# KiCad board Video Board.kicad_pcb (continued)
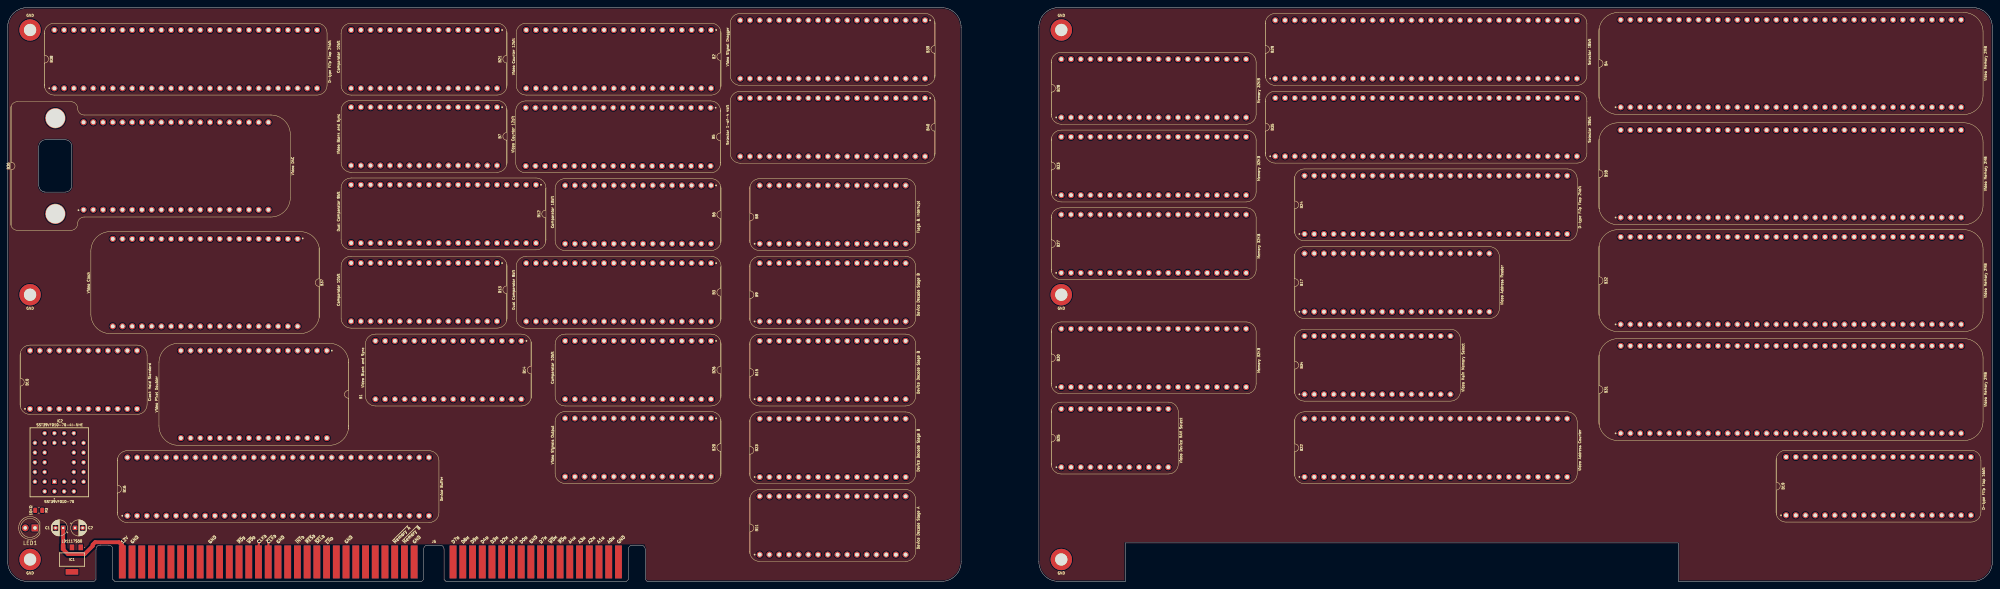
[diagram p0: board, top side]
## Footprints (pads in the part's own frame, mm; a bottom-side part is the same pattern mirrored in y, then rotated) (continued)
HCP65_Video_DAC
  round 5.3 hole 5 unplated: (-1.07,7.366) (23.93,7.366)
  round 1.6 hole 1: 1(0,0) 2(0,-2.54) 3(0,-5.08) 4(0,-7.62) 5(0,-10.16) 6(0,-12.7) 7(0,-15.24) 8(0,-17.78) 9(0,-20.32) 10(0,-22.86) 11(0,-25.4) 12(0,-27.94) 13(0,-30.48) 14(0,-33.02) 15(0,-35.56) 16(0,-38.1) 17(0,-40.64) 18(0,-43.18) 19(0,-45.72) 20(0,-48.26) 21(22.86,-48.26) 22(22.86,-45.72) 23(22.86,-43.18) 24(22.86,-40.64) 25(22.86,-38.1) 26(22.86,-35.56) 27(22.86,-33.02) 28(22.86,-30.48) 29(22.86,-27.94) 30(22.86,-25.4) 31(22.86,-22.86) 32(22.86,-20.32) 33(22.86,-17.78) 34(22.86,-15.24) 35(22.86,-12.7) 36(22.86,-10.16) 37(22.86,-7.62) 38(22.86,-5.08) 39(22.86,-2.54) 40(22.86,0)
HCP65_Video_Device_RAM_Select
  round 1.6 hole 1: 1(0,0) 2(0,-2.54) 3(0,-5.08) 4(0,-7.62) 5(0,-10.16) 6(0,-12.7) 7(0,-15.24) 8(0,-17.78) 9(0,-20.32) 10(0,-22.86) 11(0,-25.4) 12(0,-27.94) 13(15.24,-27.94) 14(15.24,-25.4) 15(15.24,-22.86) 16(15.24,-20.32) 17(15.24,-17.78) 18(15.24,-15.24) 19(15.24,-12.7) 20(15.24,-10.16) 21(15.24,-7.62) 22(15.24,-5.08) 23(15.24,-2.54) 24(15.24,0)
HCP65_Video_Main_Memory_Select
  round 1.6 hole 1: 1(0,0) 2(0,-2.54) 3(0,-5.08) 4(0,-7.62) 5(0,-10.16) 6(0,-12.7) 7(0,-15.24) 8(0,-17.78) 9(0,-20.32) 10(0,-22.86) 11(0,-25.4) 12(0,-27.94) 13(0,-30.48) 14(0,-33.02) 15(0,-35.56) 16(0,-38.1) 17(15.24,-38.1) 18(15.24,-35.56) 19(15.24,-33.02) 20(15.24,-30.48) 21(15.24,-27.94) 22(15.24,-25.4) 23(15.24,-22.86) 24(15.24,-20.32) 25(15.24,-17.78) 26(15.24,-15.24) 27(15.24,-12.7) 28(15.24,-10.16) 29(15.24,-7.62) 30(15.24,-5.08) 31(15.24,-2.54) 32(15.24,0)
HCP65_Video_Memory_2MB
  round 1.6 hole 1: 1(0,0) 2(0,-2.54) 3(0,-5.08) 4(0,-7.62) 5(0,-10.16) 6(0,-12.7) 7(0,-15.24) 8(0,-17.78) 9(0,-20.32) 10(0,-22.86) 11(0,-25.4) 12(0,-27.94) 13(0,-30.48) 14(0,-33.02) 15(0,-35.56) 16(0,-38.1) 17(0,-40.64) 18(0,-43.18) 19(0,-45.72) 20(0,-48.26) 21(0,-50.8) 22(0,-53.34) 23(0,-55.88) 24(0,-58.42) 25(0,-60.96) 26(0,-63.5) 27(0,-66.04) 28(0,-68.58) 29(0,-71.12) 30(0,-73.66) 31(0,-76.2) 32(0,-78.74) 33(0,-81.28) 34(0,-83.82) 35(0,-86.36) 36(0,-88.9) 37(22.86,-88.9) 38(22.86,-86.36) 39(22.86,-83.82) 40(22.86,-81.28) 41(22.86,-78.74) 42(22.86,-76.2) 43(22.86,-73.66) 44(22.86,-71.12) 45(22.86,-68.58) 46(22.86,-66.04) 47(22.86,-63.5) 48(22.86,-60.96) 49(22.86,-58.42) 50(22.86,-55.88) 51(22.86,-53.34) 52(22.86,-50.8) 53(22.86,-48.26) 54(22.86,-45.72) 55(22.86,-43.18) 56(22.86,-40.64) 57(22.86,-38.1) 58(22.86,-35.56) 59(22.86,-33.02) 60(22.86,-30.48) 61(22.86,-27.94) 62(22.86,-25.4) 63(22.86,-22.86) 64(22.86,-20.32) 65(22.86,-17.78) 66(22.86,-15.24) 67(22.86,-12.7) 68(22.86,-10.16) 69(22.86,-7.62) 70(22.86,-5.08) 71(22.86,-2.54) 72(22.86,0)
HCP65_Video_Output_Signals
  round 1.6 hole 1: 1(0,0) 2(0,-2.54) 3(0,-5.08) 4(0,-7.62) 5(0,-10.16) 6(0,-12.7) 7(0,-15.24) 8(0,-17.78) 9(0,-20.32) 10(0,-22.86) 11(0,-25.4) 12(0,-27.94) 13(0,-30.48) 14(0,-33.02) 15(0,-35.56) 16(0,-38.1) 17(15.24,-38.1) 18(15.24,-35.56) 19(15.24,-33.02) 20(15.24,-30.48) 21(15.24,-27.94) 22(15.24,-25.4) 23(15.24,-22.86) 24(15.24,-20.32) 25(15.24,-17.78) 26(15.24,-15.24) 27(15.24,-12.7) 28(15.24,-10.16) 29(15.24,-7.62) 30(15.24,-5.08) 31(15.24,-2.54) 32(15.24,0)
HCP65_Video_Pixel_Doubler
  round 1.6 hole 1: 1(0,0) 2(0,-2.54) 3(0,-5.08) 4(0,-7.62) 5(0,-10.16) 6(0,-12.7) 7(0,-15.24) 8(0,-17.78) 9(0,-20.32) 10(0,-22.86) 11(0,-25.4) 12(0,-27.94) 13(0,-30.48) 14(0,-33.02) 15(0,-35.56) 16(0,-38.1) 17(22.86,-38.1) 18(22.86,-35.56) 19(22.86,-33.02) 20(22.86,-30.48) 21(22.86,-27.94) 22(22.86,-25.4) 23(22.86,-22.86) 24(22.86,-20.32) 25(22.86,-17.78) 26(22.86,-15.24) 27(22.86,-12.7) 28(22.86,-10.16) 29(22.86,-7.62) 30(22.86,-5.08) 31(22.86,-2.54) 32(22.86,0)
HCP65_Video_Signal_Dragger
  round 1.6 hole 1: 1(0,0) 2(0,-2.54) 3(0,-5.08) 4(0,-7.62) 5(0,-10.16) 6(0,-12.7) 7(0,-15.24) 8(0,-17.78) 9(0,-20.32) 10(0,-22.86) 11(0,-25.4) 12(0,-27.94) 13(0,-30.48) 14(0,-33.02) 15(0,-35.56) 16(0,-38.1) 17(0,-40.64) 18(0,-43.18) 19(0,-45.72) 20(0,-48.26) 21(15.24,-48.26) 22(15.24,-45.72) 23(15.24,-43.18) 24(15.24,-40.64) 25(15.24,-38.1) 26(15.24,-35.56) 27(15.24,-33.02) 28(15.24,-30.48) 29(15.24,-27.94) 30(15.24,-25.4) 31(15.24,-22.86) 32(15.24,-20.32) 33(15.24,-17.78) 34(15.24,-15.24) 35(15.24,-12.7) 36(15.24,-10.16) 37(15.24,-7.62) 38(15.24,-5.08) 39(15.24,-2.54) 40(15.24,0)
LD1117S33C
  rect 1.2x1.5 smd: 1(-2.3,-3.2) 2(0,-3.2) 3(2.3,-3.2)
  rect 3.3x1.5 smd: 4(0,3.2)
LED_D5.0mm
  rect 1.8x1.8 hole 0.9: 1(0,0)
  round 1.8 hole 0.9: 2(2.54,0)
NetTie-2_SMD_Pad0.5mm
  round 0.5 smd: 1(-0.5,0) 2(0.5,0)
R_0805
  rrect 1.4x1.025 smd: 1(-0.01,-0.912) 2(-0.01,0.912)

## Nets
/3.3V: B2.19 B4.69 B5.19 B5.40 B10.8 B10.24 B18.69 B28.22 B29.20 B31.69 B32.69 B35.20 B35.22 IC2.32
/5V: B1.1 B1.17 B2.3 B2.23 B3.3 B3.23 B4.3 B4.39 B5.3 B5.23 B6.1 B6.17 B7.1 B7.17 B8.1 B8.17 B9.1 B9.17 B10.1 B10.13 B11.1 B11.17 B12.3 B12.23 B13.1 B13.17 B14.1 B14.17 B15.1 B15.17 B16.3 B16.35 B17.3 B17.23 B18.3 B18.39 B19.3 B19.23 B20.1 B20.17 B21.1 B21.17 B22.3 B22.31 B23.1 B23.17 B24.3 B24.31 B25.1 B25.13 B26.1 B26.17 B27.20 B28.20 B29.3 B29.35 B30.20 B31.3 B31.39 B32.3 B32.39 B33.20 B34.1 B34.17 B35.3 B35.35 B36.3 B36.23 B37.3 B37.23 B38.3 B38.31 B39.3 B39.23 B40.3 B40.23 C2.1 IC1.2 R3.2
/12V: C1.1 IC1.3 J5.B1
/GND: B1.5 B1.12 B1.21 B1.28 B2.7 B2.14 B2.20 B2.27 B2.34 B3.7 B3.14 B3.16 B3.27 B3.34 B4.10 B4.27 B4.46 B4.63 B4.70 B4.71 B5.7 B5.14 B5.20 B5.27 B5.34 B6.5 B6.12 B6.21 B6.28 B7.5 B7.12 B7.21 B7.28 B8.5 B8.12 B8.21 B8.28 B9.5 B9.12 B9.21 B9.28 B10.4 B10.6 B10.7 B10.9 B10.16 B10.21 B11.5 B11.12 B11.21 B11.28 B12.7 B12.14 B12.16 B12.27 B12.34 B13.5 B13.12 B13.21 B13.28 B14.5 B14.12 B14.21 B14.28 B15.5 B15.12 B15.21 B15.28 B16.10 B16.23 B16.42 B16.55 B17.7 B17.14 B17.27 B17.34 B18.10 B18.27 B18.46 B18.63 B18.70 B18.71 B19.1 B19.7 B19.14 B19.27 B19.34 B20.5 B20.12 B20.21 B20.28 B21.5 B21.12 B21.21 B21.28 B22.10 B22.20 B22.37 B22.47 B23.5 B23.12 B23.21 B23.28 B24.1 B24.2 B24.4 B24.5 B24.10 B24.20 B24.37 B24.47 B25.4 B25.9 B25.16 B25.21 B26.5 B26.12 B26.21 B26.28 B27.21 B27.23 B27.40 B28.21 B28.23 B28.40 B29.10 B29.19 B29.23 B29.42 B29.55 B29.62 B29.63 B29.64 B30.21 B30.23 B30.40 B31.10 B31.27 B31.46 B31.63 B31.70 B31.71 B32.10 B32.27 B32.46 B32.63 B32.70 B32.71 B33.21 B33.23 B33.40 B34.5 B34.12 B34.21 B34.28 B35.10 B35.19 B35.21 B35.23 B35.24 B35.25 B35.42 B35.55 B35.62 B36.7 B36.14 B36.27 B36.34 B37.7 B37.14 B37.27 B37.34 B38.1 B38.10 B38.20 B38.37 B38.47 B39.7 B39.14 B39.27 B39.34 B40.7 B40.14 B40.27 B40.34 C1.2 C2.2 H1.1 H2.1 H3.1 H4.1 H9.1 H19.1 IC1.1 IC2.2 IC2.3 IC2.16 J5.B2 J5.B10 J5.B17 J5.B24 J5.B31 J5.D9 J5.D18 LED1.2
/(~{RD}·~{WD})+~{Device RAM 0}: B25.2 B28.1
/(~{RD}·~{WD})+~{Device RAM 1}: B25.3 B33.1
/(~{RD}·~{WD})+~{Device RAM 2}: B25.24 B30.1
/(~{RD}·~{WD})+~{Device RAM 3}: B25.23 B27.1
/A0: B9.13 B15.13 B16.64 B23.13 B29.16 B35.16 IC2.12
/A0_{D}: B16.1 J5.A4
/A0_{M}: B4.28 B18.28 B31.28 B32.28 J5.D17
/A1: B9.11 B15.11 B16.63 B23.11 B29.15 B35.15 IC2.11
/A1_{D}: B16.2 J5.A5
/A1_{M}: B4.26 B18.26 B31.26 B32.26 J5.D16
/A2: B9.10 B15.10 B16.62 B23.10 B29.14 B35.14 IC2.10
/A2_{D}: B16.4 J5.A6
/A2_{M}: B4.25 B18.25 B31.25 B32.25 J5.D15
/A3: B11.13 B15.8 B16.61 B23.8 B29.13 B35.13 IC2.9
/A3_{D}: B16.5 J5.A7
/A3_{M}: B4.23 B18.23 B31.23 B32.23 J5.D14
/A4: B11.11 B16.60 B23.9 B29.12 B35.12 IC2.8
/A4_{D}: B16.6 J5.A8
/A4_{M}: B4.24 B18.24 B31.24 B32.24 J5.D13
/A5: B16.59 B29.11 B35.11 IC2.7
/A5_{D}: B16.7 J5.A9
/A5_{M}: B4.22 B18.22 B31.22 B32.22 J5.D12
/A6: B16.58 B29.9 B35.9 IC2.6
/A6_{D}: B16.8 J5.A10
/A6_{M}: B4.21 B18.21 B31.21 B32.21 J5.C18
/A7: B16.57 B29.8 B35.8 IC2.5
/A7_{D}: B16.9 J5.A11
/A7_{M}: B4.20 B18.20 B31.20 B32.20 J5.C17
/A8: B16.56 B29.7 B35.7 IC2.27
/A8_{D}: B16.11 J5.A12
/A8_{M}: B4.19 B18.19 B31.19 B32.19 J5.C16
/A9: B16.54 B29.6 B35.6 IC2.26
/A9_{D}: B16.12 J5.A13
/A9_{M}: B4.18 B18.18 B31.18 B32.18 J5.C15
/A10: B11.10 B16.53 B29.5 B35.5 IC2.23
/A10_{D}: B16.13 J5.A14
/A10_{M}: B4.17 B18.17 B31.17 B32.17 J5.C14
/A11: B11.9 B16.52 B29.4 B35.4 IC2.25
/A11_{D}: B16.14 J5.A15
/A11_{M}: B4.16 B18.16 B31.16 B32.16 J5.C13
/A12: B11.8 B16.51 B29.2 B35.2 IC2.4
/A12_{D}: B16.15 J5.A16
/A12_{M}: B4.15 B18.15 B31.15 B32.15 J5.C12
/A13: B11.7 B16.50 B29.1 B35.1 IC2.28
/A13_{D}: B16.16 J5.A17
/A13_{M}: B4.14 B18.14 B31.14 B32.14 J5.C11
/A14: B11.6 B16.49 B25.12 B29.61 B35.61 IC2.29
/A14_{D}: B16.17 J5.A18
/A14_{M}: B4.13 B18.13 B31.13 B32.13 J5.C10
/A15: B11.4 B16.48 B25.11
/A15_{D}: B16.19 J5.A19
/A15_{M}: B4.12 B18.12 B31.12 B32.12 J5.C9
/A16: B11.3 B16.47 B25.7
/A16_{D}: B16.18 J5.A20
/A16_{M}: B4.11 B18.11 B31.11 B32.11 J5.C8
/A17_{M}: B4.9 B18.9 B31.9 B32.9 J5.C7
/A18_{M}: B4.8 B18.8 B31.8 B32.8 J5.C6
/A19_{M}: B4.7 B18.7 B31.7 B32.7 J5.C5
/A20_{M}: B4.6 B18.6 B31.6 B32.6 J5.C4
/Advance Pixel: B1.31 B22.26
/Blue0: B27.24 B38.28
/Blue0 _{HALF CYCLE}: B36.20 B38.29
/Blue1: B27.25 B38.27
/Blue1 _{HALF CYCLE}: B36.19 B38.30
/Blue2: B27.26 B38.26
/Blue2 _{HALF CYCLE}: B36.18 B38.32
/Blue3: B27.27 B38.25
/Blue3 _{HALF CYCLE}: B36.17 B38.33
/Blue4: B27.28 B38.24
/Blue4 _{HALF CYCLE}: B36.16 B38.34
/Blue5: B27.29 B38.23
/Blue5 _{HALF CYCLE}: B36.15 B38.35
/Blue6: B27.30 B38.22
/Blue6 _{HALF CYCLE}: B36.13 B38.36
/Blue7: B27.31 B38.21
/Blue7 _{HALF CYCLE}: B36.12 B38.38
/C0: B17.21 B22.30 B24.28
/C1: B17.22 B22.32 B24.27
/C2: B17.24 B22.33 B24.26
/C3: B17.25 B22.34 B24.25
/C4: B17.26 B22.35 B24.24
/C5: B17.28 B22.36 B24.23
/C6: B17.29 B22.38 B24.22
/C7: B17.30 B22.39 B24.21
/C8: B17.20 B22.40 B24.19
/C9: B17.19 B22.41 B24.18
/C10: B17.18 B22.42 B24.17
/C11: B17.17 B22.43 B24.16
/C12: B17.16 B22.44 B24.15
/C13: B17.15 B22.45 B24.14
/C14: B17.13 B22.46 B24.13
/C15: B17.12 B22.48 B24.12
/C16: B17.11 B22.49 B24.11
/C17: B17.10 B22.50 B24.9
/C18: B17.9 B22.51 B24.8
/C19: B17.8 B22.52 B24.7
/C20: B17.5 B22.53 B24.6
/CLK_{D}: B16.22 J5.B15 NT1.1
/D0: B1.16 B2.15 B3.15 B5.15 B6.20 B8.16 B12.15 B13.20 B16.43 B17.31 B21.20 B26.20 B27.32 B28.32 B30.32 B33.32 B37.15 B40.6 IC2.13
/D0_{D}: B16.31 J5.A28
/D0_{M}: B4.36 B18.36 B31.36 B32.36 J5.D8
/D1: B1.15 B2.13 B3.13 B5.13 B6.22 B8.15 B12.13 B13.22 B16.41 B17.32 B21.22 B26.22 B27.33 B28.33 B30.33 B33.33 B37.13 B40.8 IC2.14
/D1_{D}: B16.30 J5.A27
/D1_{M}: B4.35 B18.35 B31.35 B32.35 J5.D7
/D2: B1.14 B2.12 B3.12 B5.12 B6.23 B8.14 B12.12 B13.23 B16.40 B17.33 B21.23 B26.23 B27.34 B28.34 B30.34 B33.34 B37.12 B40.9 IC2.15
/D2_{D}: B16.29 J5.A26
/D2_{M}: B4.34 B18.34 B31.34 B32.34 J5.D6
/D3: B1.13 B2.11 B3.11 B5.11 B6.24 B8.13 B12.11 B13.24 B16.39 B17.35 B21.24 B26.24 B27.35 B28.35 B30.35 B33.35 B37.11 B40.10 IC2.17
/D3_{D}: B16.28 J5.A25
/D3_{M}: B4.33 B18.33 B31.33 B32.33 J5.D5
/D4: B1.11 B2.10 B3.10 B5.10 B6.25 B8.11 B12.10 B13.25 B16.38 B17.36 B21.25 B26.25 B27.36 B28.36 B30.36 B33.36 B37.10 B40.11 IC2.18
/D4_{D}: B16.27 J5.A24
/D4_{M}: B4.32 B18.32 B31.32 B32.32 J5.D4
/D5: B1.10 B2.9 B3.9 B5.9 B6.26 B8.10 B12.9 B13.26 B16.37 B17.37 B21.26 B26.26 B27.37 B28.37 B30.37 B33.37 B37.9 B40.12 IC2.19
/D5_{D}: B16.26 J5.A23
/D5_{M}: B4.31 B18.31 B31.31 B32.31 J5.D3
/D6: B1.9 B2.8 B3.8 B5.8 B6.27 B8.9 B12.8 B13.27 B16.36 B17.38 B21.27 B26.27 B27.38 B28.38 B30.38 B33.38 B37.8 B40.13 IC2.20
/D6_{D}: B16.25 J5.A22
/D6_{M}: B4.30 B18.30 B31.30 B32.30 J5.D2
/D7: B1.8 B2.6 B3.6 B5.6 B6.29 B8.8 B12.6 B13.29 B16.34 B17.39 B21.29 B26.29 B27.39 B28.39 B30.39 B33.39 B37.6 B40.15 IC2.21
/D7_{D}: B16.24 J5.A21
/D7_{M}: B4.29 B18.29 B31.29 B32.29 J5.D1
/D~{OE}G0: B32.72 B34.26
/D~{OE}G1: B4.72 B34.24
/D~{OE}P0: B31.72 B34.25
/D~{OE}P1: B18.72 B34.23
/First Pixel: B5.17 B14.25 B20.9
/First Pixel _{HALF CYCLE}: B7.8 B20.24
/First Row: B7.25 B20.11
/Green0: B30.24 B38.19
/Green0 _{HALF CYCLE}: B36.32 B38.39
/Green1: B30.25 B38.18
/Green1 _{HALF CYCLE}: B36.33 B38.40
/Green2: B30.26 B38.17
/Green2 _{HALF CYCLE}: B36.35 B38.41
/Green3: B30.27 B38.16
/Green3 _{HALF CYCLE}: B36.36 B38.42
/Green4: B30.28 B38.15
/Green4 _{HALF CYCLE}: B36.37 B38.43
/Green5: B30.29 B38.14
/Green5 _{HALF CYCLE}: B36.38 B38.44
/Green6: B30.30 B38.13
/Green6 _{HALF CYCLE}: B36.39 B38.45
/Green7: B30.31 B38.12
/Green7 _{HALF CYCLE}: B36.40 B38.46
/H0_{D}: B10.17 J5.A31
/H1_{D}: B10.18 J5.A30
/H2_{D}: B10.19 J5.A29
/H3: B2.29 B3.21 B12.21
/H4: B2.30 B3.22 B12.22
/H5: B2.31 B3.24 B12.24
/H6: B2.32 B3.25 B12.25
/H7: B2.33 B3.35 B12.35
/H8: B2.35 B3.36 B12.36
/H9: B2.36 B3.37 B12.37
/H10: B2.37 B3.38 B12.38
/Horizontal Blank: B14.29 B20.7
/Horizontal Blank _{CYCLE 3H}: B39.38 B40.2
/Horizontal Blank _{CYCLE 3}: B39.33 B40.5
/Horizontal Blank _{CYCLE 4H}: B39.29 B40.17
/Horizontal Blank _{CYCLE 4}: B39.24 B40.20
/Horizontal Blank _{FINAL}: B36.2 B40.31
/Horizontal Blank _{HALF CYCLE}: B20.27 B39.11
/Horizontal Sync: B14.22 B20.4
/Horizontal Sync _{CYCLE 3H}: B39.37 B40.39
/Horizontal Sync _{CYCLE 3}: B39.32 B40.36
/Horizontal Sync _{CYCLE 4H}: B39.28 B40.24
/Horizontal Sync _{CYCLE 4}: B39.22 B40.21
/Horizontal Sync _{FINAL}: B36.4 B40.32
/Horizontal Sync _{HALF CYCLE}: B20.29 B39.12
/Horizontal Sync Polarity: B8.19 B20.3
/LA0: B34.15 B35.33
/LA1: B34.14 B35.34
/Last Pixel+1: B14.24 B20.10
/Last Pixel+1 _{HALF CYCLE}: B20.23 B34.16
/Last Row+1: B7.24 B20.13
/Memory Frame: B8.20 B31.1 B32.1 B34.11
/Palette0: B27.19 B29.41 B30.19 B33.19
/Palette1: B27.18 B29.43 B30.18 B33.18
/Palette2: B27.17 B29.44 B30.17 B33.17
/Palette3: B27.16 B29.45 B30.16 B33.16
/Palette4: B27.15 B29.46 B30.15 B33.15
/Palette5: B27.14 B29.47 B30.14 B33.14
/Palette6: B27.13 B29.48 B30.13 B33.13
/Palette7: B27.12 B29.49 B30.12 B33.12
/Palette8: B27.11 B29.50 B30.11 B33.11
/Palette9: B27.10 B29.51 B30.10 B33.10
/Palette10: B27.9 B29.52 B30.9 B33.9
/Palette11: B27.8 B29.53 B30.8 B33.8
/Palette12: B27.7 B29.54 B30.7 B33.7
/Palette13: B27.6 B29.56 B30.6 B33.6
/Palette14: B27.5 B29.57 B30.5 B33.5
/Pixel CLK: B1.4 B2.17 B17.6 B19.40 B20.2 B24.56 B27.22 B30.22 B33.22 B34.7 B36.6 B38.56 B39.6
/Pixel CLK_{0}: B37.36
/Pixel CLK_{1}: B37.33
/Pixel CLK_{2}: B37.29
/Pixel CLK_{3}: B37.26
/RA0: B28.19 B35.41
/RA1: B28.18 B35.43
/RA2: B28.17 B35.44
/RA3: B28.16 B35.45
/RA4: B28.15 B35.46
/RA5: B28.14 B35.47
/RA6: B28.13 B35.48
/RA7: B28.12 B35.49
/RA8: B28.11 B35.50
/RA9: B28.10 B35.51
/RA10: B28.9 B35.52
/RA11: B28.8 B35.53
/RA12: B28.7 B35.54
/RA13: B28.6 B35.56
/RA14: B28.5 B35.57
/Read Address Bank: B15.7 B17.1
/Read Address High: B15.29 B17.2
/Read Address Low: B15.30 B17.4
/Read Flags: B8.6 B15.32
/Read Horizontal High: B2.4 B15.2
/Read Horizontal Low: B2.5 B15.3
/Read Vertical High: B5.4 B9.6
/Read Vertical Low: B5.5 B9.7
/Red0: B33.24 B38.11
/Red0 _{HALF CYCLE}: B36.21 B38.48
/Red1: B33.25 B38.9
/Red1 _{HALF CYCLE}: B36.22 B38.49
/Red2: B33.26 B38.8
/Red2 _{HALF CYCLE}: B36.24 B38.50
/Red3: B33.27 B38.7
/Red3 _{HALF CYCLE}: B36.25 B38.51
/Red4: B33.28 B38.6
/Red4 _{HALF CYCLE}: B36.26 B38.52
/Red5: B33.29 B38.5
/Red5 _{HALF CYCLE}: B36.28 B38.53
/Red6: B33.30 B38.4
/Red6 _{HALF CYCLE}: B36.29 B38.54
/Red7: B33.31 B38.2
/Red7 _{HALF CYCLE}: B36.30 B38.55
/Row0: B5.25 B6.6 B13.6 B21.6 B26.6 B35.36
/Row1: B5.26 B6.7 B13.7 B21.7 B26.7 B35.37
/Row2: B5.28 B6.8 B13.8 B21.8 B26.8 B35.38
/Row3: B5.29 B6.9 B13.9 B21.9 B26.9 B35.32
/Row4: B5.30 B6.10 B13.10 B21.10 B26.10 B35.31
/Row5: B5.31 B6.11 B13.11 B21.11 B26.11 B35.30
/Row6: B5.32 B6.13 B13.13 B21.13 B26.13 B35.29
/Row7: B5.33 B6.14 B13.14 B21.14 B26.14 B35.28
/Row8: B5.35 B6.15 B13.15 B21.15 B26.15 B35.27
/Row9: B5.36 B6.16 B13.16 B21.16 B26.16 B35.26
/Row Address 0: B22.11 B28.24
/Row Address 1: B22.12 B28.25
/Row Address 2: B22.13 B28.26
/Row Address 3: B22.14 B28.27
/Row Address 4: B22.15 B28.28
/Row Address 5: B22.16 B28.29
/Row Address 6: B22.17 B28.30
/Row Address 7: B22.18 B28.31
/Row Address ~{OE}: B28.3 B35.60
/Row Address ~{WE}: B28.4 B35.59
/VA0: B4.47 B18.47 B24.29 B31.47 B32.47
/VA1: B4.48 B18.48 B24.30 B31.48 B32.48
/VA2: B4.49 B18.49 B24.32 B31.49 B32.49
/VA3: B4.50 B18.50 B24.33 B31.50 B32.50
/VA4: B4.51 B18.51 B24.34 B31.51 B32.51
/VA5: B4.52 B18.52 B24.35 B31.52 B32.52
/VA6: B4.53 B18.53 B24.36 B31.53 B32.53
/VA7: B4.54 B18.54 B24.38 B31.54 B32.54
/VA8: B4.55 B18.55 B24.39 B31.55 B32.55
/VA9: B4.56 B18.56 B24.40 B31.56 B32.56
/VA10: B4.57 B18.57 B24.41 B31.57 B32.57
/VA11: B4.58 B18.58 B24.42 B31.58 B32.58
/VA12: B4.59 B18.59 B24.43 B31.59 B32.59
/VA13: B4.60 B18.60 B24.44 B31.60 B32.60
/VA14: B4.61 B18.61 B24.45 B31.61 B32.61
/VA15: B4.62 B18.62 B24.46 B31.62 B32.62
/VA16: B4.64 B18.64 B24.48 B31.64 B32.64
/VA17: B4.65 B18.65 B24.49 B31.65 B32.65
/VA18: B4.66 B18.66 B24.50 B31.66 B32.66
/VA19: B4.67 B18.67 B24.51 B31.67 B32.67
/VA20: B4.68 B18.68 B24.52 B31.68 B32.68
/Vertical Blank: B7.29 B20.8
/Vertical Blank _{CYCLE 3H}: B39.40 B40.1
/Vertical Blank _{CYCLE 3}: B39.36 B40.4
/Vertical Blank _{CYCLE 4H}: B39.31 B40.16
/Vertical Blank _{CYCLE 4}: B39.26 B40.19
/Vertical Blank _{FINAL}: B36.10 B40.29
/Vertical Blank _{HALF CYCLE}: B20.25 B39.9
/Vertical Sync: B7.22 B20.15
/Vertical Sync _{CYCLE 3H}: B39.39 B40.40
/Vertical Sync _{CYCLE 3}: B39.35 B40.37
/Vertical Sync _{CYCLE 4H}: B39.30 B40.25
/Vertical Sync _{CYCLE 4}: B39.25 B40.22
/Vertical Sync _{FINAL}: B36.11 B40.30
/Vertical Sync _{HALF CYCLE}: B20.26 B39.10
/Vertical Sync Polarity: B8.18 B20.14
/VGD0: B4.37 B19.11 B32.37
/VGD0 _{CYCLE 2}: B19.31 B29.33
/VGD1: B4.38 B19.10 B32.38
/VGD1 _{CYCLE 2}: B19.32 B29.34
/VGD2: B4.40 B19.9 B32.40
/VGD2 _{CYCLE 2}: B19.33 B29.36
/VGD3: B4.41 B19.8 B32.41
/VGD3 _{CYCLE 2}: B19.35 B29.37
/VGD4: B4.42 B19.6 B32.42
/VGD4 _{CYCLE 2}: B19.36 B29.38
/VGD5: B4.43 B19.5 B32.43
/VGD5 _{CYCLE 2}: B19.37 B29.32
/VGD6: B4.44 B19.4 B32.44
/VGD6 _{CYCLE 2}: B19.38 B29.31
/VGD7: B4.45 B19.2 B32.45
/VGD7 _{CYCLE 2}: B19.39 B29.30
/VPD0: B18.37 B19.20 B31.37
/VPD0 _{CYCLE 2}: B19.21 B29.29
/VPD1: B18.38 B19.19 B31.38
/VPD1 _{CYCLE 2}: B19.22 B29.28
/VPD2: B18.40 B19.18 B31.40
/VPD2 _{CYCLE 2}: B19.24 B29.27
/VPD3: B18.41 B19.17 B31.41
/VPD3 _{CYCLE 2}: B19.25 B29.26
/VPD4: B18.42 B19.16 B31.42
/VPD4 _{CYCLE 2}: B19.26 B29.25
/VPD5: B18.43 B19.15 B31.43
/VPD5 _{CYCLE 2}: B19.28 B29.24
/VPD6: B18.44 B19.13 B31.44
/VPD6 _{CYCLE 2}: B19.29 B29.22
/VPD7: B18.45 B19.12 B31.45
/VPD7 _{CYCLE 2}: B19.30 B29.21
/Write Clear Interrupt: B8.3 B15.26
/Write Clock Select: B15.22 B37.17
/Write Flags: B8.7 B15.27
/Write Horizontal Back Porch End: B9.26 B12.33
/Write Horizontal Back Porch Start: B9.27 B12.26
/Write Horizontal Front Porch Start: B3.26 B15.20
/Write Horizontal Shift Pattern High: B1.7 B9.24
/Write Horizontal Shift Pattern Low: B1.6 B9.25
/Write Horiztonal Sync Start: B3.33 B15.19
/Write Vertical Back Porch End High: B23.24 B26.3
/Write Vertical Back Porch End Low: B23.25 B26.4
/Write Vertical Back Porch Start High: B21.3 B23.26
/Write Vertical Back Porch Start Low: B21.4 B23.27
/Write Vertical Front Porch Start High: B6.3 B9.22
/Write Vertical Front Porch Start Low: B6.4 B9.23
/Write Vertical Sync Start High: B9.19 B13.3
/Write Vertical Sync Start Low: B9.20 B13.4
/Write Video Signal Delay: B23.19 B40.18
/~{A3}: B9.8 B11.20
/~{A4}: B9.9 B11.22 B15.9
/~{CLK}_{D}: J5.B16 NT2.1
/~{Device RAM 0}: B25.22 B35.17
/~{Device RAM}: B10.2 B11.23 B25.5 B29.17
/~{Device Registers}: B9.4 B10.3 B11.24 B15.4 B23.4
/~{Device ROM}: B10.5 B11.25 IC2.22
/~{Device Select}: B10.11 B11.2 B16.33
/~{Enable}_{D}: B8.26 J5.B22
/~{Horizontal Back Porch End} _{CMP}: B12.39 B14.13
/~{Horizontal Back Porch Start} _{CMP}: B12.28 B14.11
/~{Horizontal Blank}: B1.3 B2.2 B14.27
/~{Horizontal Front Porch Start} _{CMP}: B3.28 B14.4
/~{Horizontal Sync Start} _{CMP}: B3.39 B14.6
/~{Horizontal Sync}: B14.20 B20.6
/~{Interrupt}_{D}: B8.29 J5.B19
/~{Load Address Bank}: B22.21 B34.30
/~{Load Address High}: B22.22 B34.29
/~{Load Address Low}: B22.23 B34.27
/~{Memory A}: B4.2 B32.2 B34.2 J5.B29
/~{Memory B}: B18.2 B31.2 B34.3 J5.B30
/~{Memory Frame}: B4.1 B18.1 B34.22
/~{Pixel CLK}: B2.40 B8.2 B14.8 B22.4 B34.6 B36.8 B39.15
/~{Pixel CLK}_{0}: B37.35
/~{Pixel CLK}_{1}: B37.32
/~{Pixel CLK}_{2}: B37.28
/~{Pixel CLK}_{3}: B37.25
/~{RD}: B9.15 B10.10 B15.15 B16.46 B23.15 B25.8 B35.64 IC2.24
/~{RD}+~{Device RAM 1}: B25.20 B33.3
/~{RD}+~{Device RAM 2}: B25.19 B30.3
/~{RD}+~{Device RAM 3}: B25.18 B27.3
/~{RD}_{D}: B16.20 J5.B13
/~{RD}_{M}: B4.4 B18.4 B31.4 B32.4 J5.D10
/~{Reset}: B1.2 B2.1 B5.1 B11.19 B22.1 B37.4
/~{Reset}_{D}: B11.15 J5.B20
/~{Reset}_{System}: J5.A1
/~{Select}_{D}: B16.32 J5.B21
/~{Vertical Back Porch End}: B5.2 B7.18
/~{Vertical Back Porch End} _{CMP}: B7.13 B26.31
/~{Vertical Back Porch Start} _{CMP}: B7.11 B21.31
/~{Vertical Blank}: B7.27 B8.4
/~{Vertical Front Porch Start} _{CMP}: B6.31 B7.4
/~{Vertical Sync Start} _{CMP}: B7.6 B13.31
/~{Vertical Sync}: B7.20 B20.16
/~{WD}: B9.16 B10.12 B15.16 B16.45 B23.16 B25.10 B28.2 B35.63 IC2.31
/~{WD}+~{Device RAM 1}: B25.17 B33.2 B33.4
/~{WD}+~{Device RAM 2}: B25.15 B30.2 B30.4
/~{WD}+~{Device RAM 3}: B25.14 B27.2 B27.4
/~{WD}_{D}: B16.21 J5.B14
/~{WD}_{M}: B4.5 B18.5 B31.5 B32.5 J5.D11
Net-(LED1-K): LED1.1 R3.1

Pads without a net: B1 18 19 20 22 23 24 25 26 27 29 30 32; B2 16 18 21 22 24 25 26 28 38 39; B3 1 2 4 5 17 18 19 20 29 30 31 32 40; B5 16 18 21 22 24 37 38 39; B6 2 18 19 30 32; B7 2 3 7 9 10 14 15 16 19 23 26 30 31 32; B8 22 23 24 25 27 30 31 32; B9 2 3 14 18 29 30 31 32; B10 14 15 20 22 23; B11 14 16 18 26 27 29 30 31 32; B12 1 2 4 5 17 18 19 20 29 30 31 32 40; B13 2 18 19 30 32; B14 2 3 7 9 10 14 15 16 18 19 23 26 30 31 32; B15 6 14 18 23 24 25 31; B16 44; B17 40; B20 18 19 20 22 30 31 32; B21 2 18 19 30 32; B22 2 5 6 7 8 9 19 24 25 27 28 29 54 55 56; B23 2 3 6 7 14 18 20 22 23 29 30 31 32; B24 53 54 55; B25 6; B26 2 18 19 30 32; B29 18 39 40 58 59 60; B34 4 8 9 10 13 18 19 20 31 32; B35 18 39 40 58; B36 1 5 9 31; B37 1 2 5 16 18 19 20 21 22 24 30 31 37 38 39 40; B39 1 2 4 5 8 13 16 17 18 19 20 21; B40 26 28 33 35 38; IC1 4; IC2 1 30; J5 A2 A3 B3 B4 B5 B6 B7 B8 B9 B11 B12 B18 B23 B25 B26 B27 B28 C1 C2 C3; NT1 2; NT2 2

## Routing (per net, layer and track width the routed paths; a pad name or vN(x,y) marks a point on that pad's centre or on a via; arc(x,y) is an arc through that point)
/12V: length 27.7
  Top w1: C1.1 IC1.3 14.49,8.38 15.73,7.14 20.1,7.14 22.19,9.23 22.19,9.6 22.82,10.23 29.09,10.23 29.93,9.39 J5.B1

## Copper pours and planes (outline as drawn; the poured copper is in the pictures)
(no net) on Top, Bottom: 166.37,-0.51 166.37,9.67 23.11,9.67 23.11,-0.51 -0.75,-0.51 -0.75,151.77 249.56,151.77 249.56,-0.51
(no net) on Top, Bottom: 435.61,-0.51 435.61,9.67 292.35,9.67 292.35,-0.51 268.49,-0.51 268.49,151.77 523.88,151.77 523.88,-0.51

## Text on the board
B.Silkscreen: ~{Reset} | A0_{D} | A1_{D} | A2_{D} | A3_{D} | A4_{D} | A5_{D} | A6_{D} | A7_{D} | A8_{D} | A9_{D} | A10_{D} | A11_{D} | A12_{D} | A13_{D} | A14_{D} | A15_{D} | A16_{D} | D7_{D} | D6_{D} | D5_{D} | D4_{D} | D3_{D} | D2_{D} | D1_{D} | D0_{D} | H2_{D} | H1_{D} | H0_{D} | A23_{M} | A22_{M} | A21_{M} | A20_{M} | A19_{M} | A18_{M} | A17_{M} | A16_{M} | A15_{M} | A14_{M} | A13_{M} | A12_{M} | A11_{M} | A10_{M} | A9_{M} | A8_{M} | A7_{M} | A6_{M}
F.Silkscreen: 12V | GND | ~{RD}_{D} | ~{WD}_{D} | CLK_{D} | ~{CLK}_{D} | ~{INT}_{D} | ~{RES}_{D} | ~{SEL}_{D} | ~{EN}_{D} | ~{Memory A} | ~{Memory B} | D7_{M} | D6_{M} | D5_{M} | D4_{M} | D3_{M} | D2_{M} | D1_{M} | D0_{M} | ~{WD}_{M} | ~{RD}_{M} | A4_{M} | A3_{M} | A2_{M} | A1_{M} | A0_{M} | HCP65 / Audio / Device | HCP65 Daughter Board
